# KiCad board Boom-1.kicad_pcb (continued)
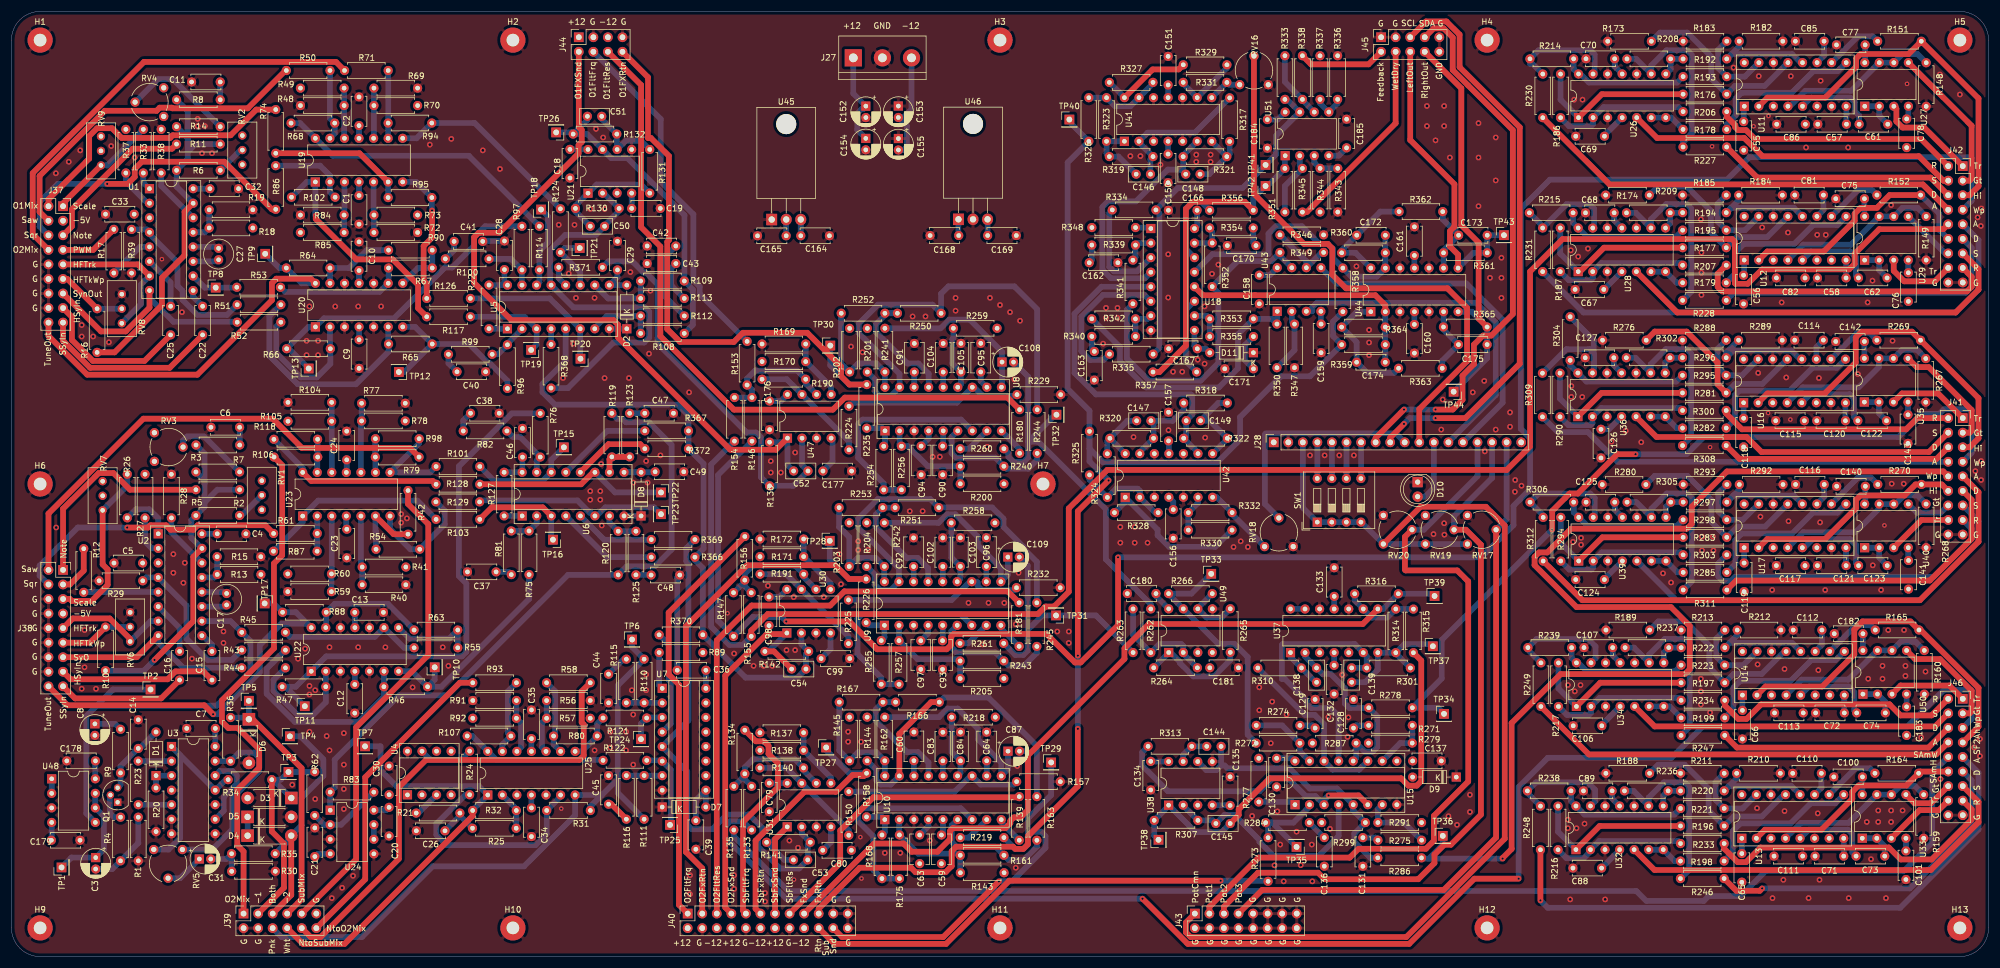
[diagram p0: board, top side]
## Placement (name value [footprint] x y rotation side) (continued)
R85  30K  [R_Axial_DIN0207_L6.3mm_D2.5mm_P7.62mm_Horizontal]  50.43 126.41 0 top
R86  30K  [R_Axial_DIN0207_L6.3mm_D2.5mm_P7.62mm_Horizontal]  46.11 130.45 90 top
R87  30K  [R_Axial_DIN0207_L6.3mm_D2.5mm_P7.62mm_Horizontal]  53.34 70.77 180 top
R88  30K  [R_Axial_DIN0207_L6.3mm_D2.5mm_P7.62mm_Horizontal]  47.31 60.1 0 top
R89  7.5K  [R_Axial_DIN0207_L6.3mm_D2.5mm_P7.62mm_Horizontal]  113.02 53.07 0 top
R90  30K  [R_Axial_DIN0207_L6.3mm_D2.5mm_P7.62mm_Horizontal]  73.42 123.33 180 top
R91  30K  [R_Axial_DIN0207_L6.3mm_D2.5mm_P7.62mm_Horizontal]  80.5 44.7 0 top
R92  30K  [R_Axial_DIN0207_L6.3mm_D2.5mm_P7.62mm_Horizontal]  80.5 41.6 0 top
R93  30K  [R_Axial_DIN0207_L6.3mm_D2.5mm_P7.62mm_Horizontal]  80.5 47.8 0 top
R94  30K  [R_Axial_DIN0207_L6.3mm_D2.5mm_P7.62mm_Horizontal]  65.73 145.52 0 top
R95  30K  [R_Axial_DIN0207_L6.3mm_D2.5mm_P7.62mm_Horizontal]  65.73 132.5 0 top
R96  30K  [R_Axial_DIN0207_L6.3mm_D2.5mm_P7.62mm_Horizontal]  86.55 106.81 270 top
R97  30K  [R_Axial_DIN0207_L6.3mm_D2.5mm_P7.62mm_Horizontal]  89.08 119.88 90 top
R98  30K  [R_Axial_DIN0207_L6.3mm_D2.5mm_P7.62mm_Horizontal]  63.52 90.41 0 top
R99  500R  [R_Axial_DIN0207_L6.3mm_D2.5mm_P7.62mm_Horizontal]  83.88 105.14 180 top
R100  500R  [R_Axial_DIN0207_L6.3mm_D2.5mm_P7.62mm_Horizontal]  83.34 121.81 180 top
R101  1K  [R_Axial_DIN0207_L6.3mm_D2.5mm_P7.62mm_Horizontal]  81.72 85.56 180 top
R102  30K  [R_Axial_DIN0207_L6.3mm_D2.5mm_P7.62mm_Horizontal]  56.48 132.57 180 top
R103  1K  [R_Axial_DIN0207_L6.3mm_D2.5mm_P7.62mm_Horizontal]  81.72 76.33 180 top
R104  30K  [R_Axial_DIN0207_L6.3mm_D2.5mm_P7.62mm_Horizontal]  48.25 96.76 0 top
R105  30K  [R_Axial_DIN0207_L6.3mm_D2.5mm_P7.62mm_Horizontal]  48.25 93.45 0 top
R106  30K  [R_Axial_DIN0207_L6.3mm_D2.5mm_P7.62mm_Horizontal]  45.82 87.2 0 top
R107  30K  [R_Axial_DIN0207_L6.3mm_D2.5mm_P7.62mm_Horizontal]  87.15 38.5 180 top
R108  30K  [R_Axial_DIN0207_L6.3mm_D2.5mm_P7.62mm_Horizontal]  109.79 108.8 0 top
R109  30K  [R_Axial_DIN0207_L6.3mm_D2.5mm_P7.62mm_Horizontal]  109.79 117.94 0 top
R110  30K  [R_Axial_DIN0207_L6.3mm_D2.5mm_P7.62mm_Horizontal]  110.4 44.3 90 top
R111  30K  [R_Axial_DIN0207_L6.3mm_D2.5mm_P7.62mm_Horizontal]  110.4 31.6 270 top
R112  500R  [R_Axial_DIN0207_L6.3mm_D2.5mm_P7.62mm_Horizontal]  109.79 111.84 0 top
R113  500R  [R_Axial_DIN0207_L6.3mm_D2.5mm_P7.62mm_Horizontal]  109.79 114.89 0 top
R114  1K  [R_Axial_DIN0207_L6.3mm_D2.5mm_P7.62mm_Horizontal]  92.12 119.88 90 top
R115  500R  [R_Axial_DIN0207_L6.3mm_D2.5mm_P7.62mm_Horizontal]  107.3 44.3 90 top
R116  500R  [R_Axial_DIN0207_L6.3mm_D2.5mm_P7.62mm_Horizontal]  107.3 31.6 270 top
R117  1K  [R_Axial_DIN0207_L6.3mm_D2.5mm_P7.62mm_Horizontal]  80.08 111.7 180 top
R118  30K  [R_Axial_DIN0207_L6.3mm_D2.5mm_P7.62mm_Horizontal]  53.42 90.31 180 top
R119  30K  [R_Axial_DIN0207_L6.3mm_D2.5mm_P7.62mm_Horizontal]  104.77 87.23 90 top
R120  30K  [R_Axial_DIN0207_L6.3mm_D2.5mm_P7.62mm_Horizontal]  105.87 74.25 270 top
R121  1K  [R_Axial_DIN0207_L6.3mm_D2.5mm_P7.62mm_Horizontal]  110.85 41.65 180 top
R122  1K  [R_Axial_DIN0207_L6.3mm_D2.5mm_P7.62mm_Horizontal]  110.85 34.25 180 top
R123  500R  [R_Axial_DIN0207_L6.3mm_D2.5mm_P7.62mm_Horizontal]  107.87 87.23 90 top
R124  1K  [R_Axial_DIN0207_L6.3mm_D2.5mm_P7.62mm_Horizontal]  95.79 130.55 270 top
R125  500R  [R_Axial_DIN0207_L6.3mm_D2.5mm_P7.62mm_Horizontal]  108.97 74.25 270 top
R126  1K  [R_Axial_DIN0207_L6.3mm_D2.5mm_P7.62mm_Horizontal]  72.46 114.9 0 top
R127  7.5K  [R_Axial_DIN0207_L6.3mm_D2.5mm_P7.62mm_Horizontal]  85.97 76.93 90 top
R128  1K  [R_Axial_DIN0207_L6.3mm_D2.5mm_P7.62mm_Horizontal]  74.09 82.45 0 top
R129  1K  [R_Axial_DIN0207_L6.3mm_D2.5mm_P7.62mm_Horizontal]  74.07 79.38 0 top
R130  30K  [R_Axial_DIN0207_L6.3mm_D2.5mm_P7.62mm_Horizontal]  98.42 130.61 0 top
R131  30K  [R_Axial_DIN0207_L6.3mm_D2.5mm_P7.62mm_Horizontal]  111.38 140.9 270 top
R132  30K  [R_Axial_DIN0207_L6.3mm_D2.5mm_P7.62mm_Horizontal]  98.01 143.59 0 top
R133  15K  [R_Axial_DIN0207_L6.3mm_D2.5mm_P7.62mm_Horizontal]  129.15 22.1 90 top
R134  15K  [R_Axial_DIN0207_L6.3mm_D2.5mm_P7.62mm_Horizontal]  127.98 31.9 90 top
R135  15K  [R_Axial_DIN0207_L6.3mm_D2.5mm_P7.62mm_Horizontal]  126.05 22.1 90 top
R136  30K  [R_Axial_DIN0207_L6.3mm_D2.5mm_P7.62mm_Horizontal]  132.29 89.8 270 top
R137  12K  [R_Axial_DIN0207_L6.3mm_D2.5mm_P7.62mm_Horizontal]  138.23 39.08 180 top
R138  30K  [R_Axial_DIN0207_L6.3mm_D2.5mm_P7.62mm_Horizontal]  138.23 36 180 top
R139  100K  [R_Axial_DIN0207_L6.3mm_D2.5mm_P7.62mm_Horizontal]  175.86 20.3 90 top
R140  30K  [R_Axial_DIN0207_L6.3mm_D2.5mm_P7.62mm_Horizontal]  130.6 32.93 0 top
R141  30K  [R_Axial_DIN0207_L6.3mm_D2.5mm_P7.62mm_Horizontal]  131.78 19.95 0 top
R142  30K  [R_Axial_DIN0207_L6.3mm_D2.5mm_P7.62mm_Horizontal]  131.48 53.27 0 top
R143  220K  [R_Axial_DIN0207_L6.3mm_D2.5mm_P7.62mm_Horizontal]  165.59 14.63 0 top
R144  220K  [R_Axial_DIN0207_L6.3mm_D2.5mm_P7.62mm_Horizontal]  149.32 41.79 270 top
R145  220K  [R_Axial_DIN0207_L6.3mm_D2.5mm_P7.62mm_Horizontal]  146.25 34.17 90 top
R146  15K  [R_Axial_DIN0207_L6.3mm_D2.5mm_P7.62mm_Horizontal]  129.22 89.98 90 top
R147  15K  [R_Axial_DIN0207_L6.3mm_D2.5mm_P7.62mm_Horizontal]  126 55.9 90 top
R148  10K  [R_Axial_DIN0207_L6.3mm_D2.5mm_P7.62mm_Horizontal]  334.12 156.05 270 top
R149  10K  [R_Axial_DIN0207_L6.3mm_D2.5mm_P7.62mm_Horizontal]  334.12 129.22 270 top
R150  100K  [R_Axial_DIN0207_L6.3mm_D2.5mm_P7.62mm_Horizontal]  146.12 28.79 270 top
R151  30K  [R_Axial_DIN0207_L6.3mm_D2.5mm_P7.62mm_Horizontal]  325.65 159.8 0 top
R152  30K  [R_Axial_DIN0207_L6.3mm_D2.5mm_P7.62mm_Horizontal]  325.53 132.95 0 top
R153  15K  [R_Axial_DIN0207_L6.3mm_D2.5mm_P7.62mm_Horizontal]  128.37 99.78 90 top
R154  15K  [R_Axial_DIN0207_L6.3mm_D2.5mm_P7.62mm_Horizontal]  126.16 89.98 90 top
R155  15K  [R_Axial_DIN0207_L6.3mm_D2.5mm_P7.62mm_Horizontal]  129.09 55.9 90 top
R156  15K  [R_Axial_DIN0207_L6.3mm_D2.5mm_P7.62mm_Horizontal]  127.97 65.71 90 top
R157  1K8  [R_Axial_DIN0207_L6.3mm_D2.5mm_P7.62mm_Horizontal]  175.41 30.53 0 top
R158  91K  [R_Axial_DIN0207_L6.3mm_D2.5mm_P7.62mm_Horizontal]  149.22 24.38 90 top
R159  10K  [R_Axial_DIN0207_L6.3mm_D2.5mm_P7.62mm_Horizontal]  333.68 28.26 270 top
R160  10K  [R_Axial_DIN0207_L6.3mm_D2.5mm_P7.62mm_Horizontal]  333.79 53.43 270 top
R161  100K  [R_Axial_DIN0207_L6.3mm_D2.5mm_P7.62mm_Horizontal]  173.19 17.68 180 top
R162  100K  [R_Axial_DIN0207_L6.3mm_D2.5mm_P7.62mm_Horizontal]  152.4 34.17 90 top
R163  91K  [R_Axial_DIN0207_L6.3mm_D2.5mm_P7.62mm_Horizontal]  178.94 20.3 90 top
R164  30K  [R_Axial_DIN0207_L6.3mm_D2.5mm_P7.62mm_Horizontal]  325.18 32 0 top
R165  30K  [R_Axial_DIN0207_L6.3mm_D2.5mm_P7.62mm_Horizontal]  325.24 57.01 0 top
R166  100K  [R_Axial_DIN0207_L6.3mm_D2.5mm_P7.62mm_Horizontal]  161.9 44.41 180 top
R167  91K  [R_Axial_DIN0207_L6.3mm_D2.5mm_P7.62mm_Horizontal]  144.45 44.41 0 top
R168  100K  [R_Axial_DIN0207_L6.3mm_D2.5mm_P7.62mm_Horizontal]  151.9 13.61 90 top
R169  12K  [R_Axial_DIN0207_L6.3mm_D2.5mm_P7.62mm_Horizontal]  138.6 106.94 180 top
R170  30K  [R_Axial_DIN0207_L6.3mm_D2.5mm_P7.62mm_Horizontal]  138.6 103.87 180 top
R171  30K  [R_Axial_DIN0207_L6.3mm_D2.5mm_P7.62mm_Horizontal]  138.24 69.82 180 top
R172  12K  [R_Axial_DIN0207_L6.3mm_D2.5mm_P7.62mm_Horizontal]  138.24 72.89 180 top
R173  470R  [R_Axial_DIN0207_L6.3mm_D2.5mm_P7.62mm_Horizontal]  286.17 159.8 180 top
R174  470R  [R_Axial_DIN0207_L6.3mm_D2.5mm_P7.62mm_Horizontal]  285.81 132.94 180 top
R175  91K  [R_Axial_DIN0207_L6.3mm_D2.5mm_P7.62mm_Horizontal]  154.95 13.61 90 top
R176  10K  [R_Axial_DIN0207_L6.3mm_D2.5mm_P7.62mm_Horizontal]  299.32 150.56 180 top
R177  10K  [R_Axial_DIN0207_L6.3mm_D2.5mm_P7.62mm_Horizontal]  299.24 123.76 180 top
R178  1.2K  [R_Axial_DIN0207_L6.3mm_D2.5mm_P7.62mm_Horizontal]  299.31 144.41 180 top
R179  1.2K  [R_Axial_DIN0207_L6.3mm_D2.5mm_P7.62mm_Horizontal]  299.24 117.64 180 top
R180  100K  [R_Axial_DIN0207_L6.3mm_D2.5mm_P7.62mm_Horizontal]  175.92 87.86 90 top
R181  100K  [R_Axial_DIN0207_L6.3mm_D2.5mm_P7.62mm_Horizontal]  175.84 54.15 90 top
R182  470R  [R_Axial_DIN0207_L6.3mm_D2.5mm_P7.62mm_Horizontal]  301.49 159.81 0 top
R183  470R  [R_Axial_DIN0207_L6.3mm_D2.5mm_P7.62mm_Horizontal]  299.33 159.81 180 top
R184  470R  [R_Axial_DIN0207_L6.3mm_D2.5mm_P7.62mm_Horizontal]  301.41 132.93 0 top
R185  470R  [R_Axial_DIN0207_L6.3mm_D2.5mm_P7.62mm_Horizontal]  299.23 132.94 180 top
R186  30K  [R_Axial_DIN0207_L6.3mm_D2.5mm_P7.62mm_Horizontal]  270.32 154.08 270 top
R187  30K  [R_Axial_DIN0207_L6.3mm_D2.5mm_P7.62mm_Horizontal]  270.27 127.2 270 top
R188  470R  [R_Axial_DIN0207_L6.3mm_D2.5mm_P7.62mm_Horizontal]  285.85 31.99 180 top
R189  470R  [R_Axial_DIN0207_L6.3mm_D2.5mm_P7.62mm_Horizontal]  285.86 57 180 top
R190  30K  [R_Axial_DIN0207_L6.3mm_D2.5mm_P7.62mm_Horizontal]  130.98 100.79 0 top
R191  30K  [R_Axial_DIN0207_L6.3mm_D2.5mm_P7.62mm_Horizontal]  130.63 66.75 0 top
R192  10K  [R_Axial_DIN0207_L6.3mm_D2.5mm_P7.62mm_Horizontal]  299.32 156.72 180 top
R193  10K  [R_Axial_DIN0207_L6.3mm_D2.5mm_P7.62mm_Horizontal]  299.32 153.63 180 top
R194  10K  [R_Axial_DIN0207_L6.3mm_D2.5mm_P7.62mm_Horizontal]  299.24 129.88 180 top
R195  10K  [R_Axial_DIN0207_L6.3mm_D2.5mm_P7.62mm_Horizontal]  299.24 126.82 180 top
R196  10K  [R_Axial_DIN0207_L6.3mm_D2.5mm_P7.62mm_Horizontal]  298.87 22.79 180 top
R197  10K  [R_Axial_DIN0207_L6.3mm_D2.5mm_P7.62mm_Horizontal]  298.97 47.8 180 top
R198  1.2K  [R_Axial_DIN0207_L6.3mm_D2.5mm_P7.62mm_Horizontal]  298.86 16.67 180 top
R199  1.2K  [R_Axial_DIN0207_L6.3mm_D2.5mm_P7.62mm_Horizontal]  298.97 41.67 180 top
R200  220K  [R_Axial_DIN0207_L6.3mm_D2.5mm_P7.62mm_Horizontal]  165.57 82.53 0 top
R201  220K  [R_Axial_DIN0207_L6.3mm_D2.5mm_P7.62mm_Horizontal]  149.35 109.67 270 top
R202  220K  [R_Axial_DIN0207_L6.3mm_D2.5mm_P7.62mm_Horizontal]  146.26 102.05 90 top
R203  220K  [R_Axial_DIN0207_L6.3mm_D2.5mm_P7.62mm_Horizontal]  146.19 68.1 90 top
R204  220K  [R_Axial_DIN0207_L6.3mm_D2.5mm_P7.62mm_Horizontal]  149.25 75.72 270 top
R205  220K  [R_Axial_DIN0207_L6.3mm_D2.5mm_P7.62mm_Horizontal]  165.55 48.53 0 top
R206  30K  [R_Axial_DIN0207_L6.3mm_D2.5mm_P7.62mm_Horizontal]  299.32 147.51 180 top
R207  30K  [R_Axial_DIN0207_L6.3mm_D2.5mm_P7.62mm_Horizontal]  299.24 120.7 180 top
R208  30K  [R_Axial_DIN0207_L6.3mm_D2.5mm_P7.62mm_Horizontal]  289.53 156.72 180 top
R209  30K  [R_Axial_DIN0207_L6.3mm_D2.5mm_P7.62mm_Horizontal]  289.45 129.85 180 top
R210  470R  [R_Axial_DIN0207_L6.3mm_D2.5mm_P7.62mm_Horizontal]  301.05 31.99 0 top
R211  470R  [R_Axial_DIN0207_L6.3mm_D2.5mm_P7.62mm_Horizontal]  298.87 31.99 180 top
R212  470R  [R_Axial_DIN0207_L6.3mm_D2.5mm_P7.62mm_Horizontal]  301.14 57 0 top
R213  470R  [R_Axial_DIN0207_L6.3mm_D2.5mm_P7.62mm_Horizontal]  298.98 57 180 top
R214  30K  [R_Axial_DIN0207_L6.3mm_D2.5mm_P7.62mm_Horizontal]  272.6 156.73 180 top
R215  30K  [R_Axial_DIN0207_L6.3mm_D2.5mm_P7.62mm_Horizontal]  272.5 129.85 180 top
R216  30K  [R_Axial_DIN0207_L6.3mm_D2.5mm_P7.62mm_Horizontal]  269.88 26.26 270 top
R217  30K  [R_Axial_DIN0207_L6.3mm_D2.5mm_P7.62mm_Horizontal]  269.95 51.27 270 top
R218  270R  [R_Axial_DIN0207_L6.3mm_D2.5mm_P7.62mm_Horizontal]  164.07 41.79 0 top
R219  51K  [R_Axial_DIN0207_L6.3mm_D2.5mm_P7.62mm_Horizontal]  173.19 20.76 180 top
R220  10K  [R_Axial_DIN0207_L6.3mm_D2.5mm_P7.62mm_Horizontal]  298.87 28.92 180 top
R221  10K  [R_Axial_DIN0207_L6.3mm_D2.5mm_P7.62mm_Horizontal]  298.87 25.85 180 top
R222  10K  [R_Axial_DIN0207_L6.3mm_D2.5mm_P7.62mm_Horizontal]  298.98 53.93 180 top
R223  10K  [R_Axial_DIN0207_L6.3mm_D2.5mm_P7.62mm_Horizontal]  298.97 50.87 180 top
R224  100K  [R_Axial_DIN0207_L6.3mm_D2.5mm_P7.62mm_Horizontal]  146.15 96.08 270 top
R225  100K  [R_Axial_DIN0207_L6.3mm_D2.5mm_P7.62mm_Horizontal]  146.06 62.25 270 top
R226  91K  [R_Axial_DIN0207_L6.3mm_D2.5mm_P7.62mm_Horizontal]  149.14 58.29 90 top
R227  30K  [R_Axial_DIN0207_L6.3mm_D2.5mm_P7.62mm_Horizontal]  299.31 141.34 180 top
R228  30K  [R_Axial_DIN0207_L6.3mm_D2.5mm_P7.62mm_Horizontal]  299.24 114.57 180 top
R229  1K8  [R_Axial_DIN0207_L6.3mm_D2.5mm_P7.62mm_Horizontal]  175.47 98.1 0 top
R230  30K  [R_Axial_DIN0207_L6.3mm_D2.5mm_P7.62mm_Horizontal]  267.22 146.46 90 top
R231  30K  [R_Axial_DIN0207_L6.3mm_D2.5mm_P7.62mm_Horizontal]  267.2 119.58 90 top
R232  1K8  [R_Axial_DIN0207_L6.3mm_D2.5mm_P7.62mm_Horizontal]  175.38 64.39 0 top
R233  30K  [R_Axial_DIN0207_L6.3mm_D2.5mm_P7.62mm_Horizontal]  298.87 19.73 180 top
R234  30K  [R_Axial_DIN0207_L6.3mm_D2.5mm_P7.62mm_Horizontal]  298.97 44.73 180 top
R235  91K  [R_Axial_DIN0207_L6.3mm_D2.5mm_P7.62mm_Horizontal]  149.25 92.24 90 top
R236  30K  [R_Axial_DIN0207_L6.3mm_D2.5mm_P7.62mm_Horizontal]  289.09 28.92 180 top
R237  30K  [R_Axial_DIN0207_L6.3mm_D2.5mm_P7.62mm_Horizontal]  289.2 53.93 180 top
R238  30K  [R_Axial_DIN0207_L6.3mm_D2.5mm_P7.62mm_Horizontal]  272.15 28.92 180 top
R239  30K  [R_Axial_DIN0207_L6.3mm_D2.5mm_P7.62mm_Horizontal]  272.24 53.93 180 top
R240  100K  [R_Axial_DIN0207_L6.3mm_D2.5mm_P7.62mm_Horizontal]  173.18 85.6 180 top
R241  100K  [R_Axial_DIN0207_L6.3mm_D2.5mm_P7.62mm_Horizontal]  152.42 102.06 90 top
R242  100K  [R_Axial_DIN0207_L6.3mm_D2.5mm_P7.62mm_Horizontal]  152.32 68.1 90 top
R243  100K  [R_Axial_DIN0207_L6.3mm_D2.5mm_P7.62mm_Horizontal]  173.16 51.61 180 top
R244  91K  [R_Axial_DIN0207_L6.3mm_D2.5mm_P7.62mm_Horizontal]  178.99 87.85 90 top
R245  91K  [R_Axial_DIN0207_L6.3mm_D2.5mm_P7.62mm_Horizontal]  178.93 54.14 90 top
R246  30K  [R_Axial_DIN0207_L6.3mm_D2.5mm_P7.62mm_Horizontal]  298.86 13.61 180 top
R247  30K  [R_Axial_DIN0207_L6.3mm_D2.5mm_P7.62mm_Horizontal]  298.97 38.61 180 top
R248  30K  [R_Axial_DIN0207_L6.3mm_D2.5mm_P7.62mm_Horizontal]  266.81 18.64 90 top
R249  30K  [R_Axial_DIN0207_L6.3mm_D2.5mm_P7.62mm_Horizontal]  266.89 43.65 90 top
R250  100K  [R_Axial_DIN0207_L6.3mm_D2.5mm_P7.62mm_Horizontal]  162.22 112.31 180 top
R251  100K  [R_Axial_DIN0207_L6.3mm_D2.5mm_P7.62mm_Horizontal]  161.82 78.37 180 top
R252  91K  [R_Axial_DIN0207_L6.3mm_D2.5mm_P7.62mm_Horizontal]  144.8 112.31 0 top
R253  91K  [R_Axial_DIN0207_L6.3mm_D2.5mm_P7.62mm_Horizontal]  144.42 78.37 0 top
R254  100K  [R_Axial_DIN0207_L6.3mm_D2.5mm_P7.62mm_Horizontal]  152.21 81.47 90 top
R255  100K  [R_Axial_DIN0207_L6.3mm_D2.5mm_P7.62mm_Horizontal]  151.78 47.54 90 top
R256  91K  [R_Axial_DIN0207_L6.3mm_D2.5mm_P7.62mm_Horizontal]  155.3 81.48 90 top
R257  91K  [R_Axial_DIN0207_L6.3mm_D2.5mm_P7.62mm_Horizontal]  154.88 47.53 90 top
R258  270R  [R_Axial_DIN0207_L6.3mm_D2.5mm_P7.62mm_Horizontal]  163.99 75.71 0 top
R259  270R  [R_Axial_DIN0207_L6.3mm_D2.5mm_P7.62mm_Horizontal]  164.37 109.69 0 top
R260  51K  [R_Axial_DIN0207_L6.3mm_D2.5mm_P7.62mm_Horizontal]  173.18 88.66 180 top
R261  51K  [R_Axial_DIN0207_L6.3mm_D2.5mm_P7.62mm_Horizontal]  173.14 54.68 180 top
R262  30K  [R_Axial_DIN0207_L6.3mm_D2.5mm_P7.62mm_Horizontal]  198.81 53.06 90 top
R263  30K  [R_Axial_DIN0207_L6.3mm_D2.5mm_P7.62mm_Horizontal]  195.72 53.07 90 top
R264  30K  [R_Axial_DIN0207_L6.3mm_D2.5mm_P7.62mm_Horizontal]  199.32 50.41 0 top
R265  30K  [R_Axial_DIN0207_L6.3mm_D2.5mm_P7.62mm_Horizontal]  212.68 60.72 270 top
R266  30K  [R_Axial_DIN0207_L6.3mm_D2.5mm_P7.62mm_Horizontal]  201.92 63.36 0 top
R267  10K  [R_Axial_DIN0207_L6.3mm_D2.5mm_P7.62mm_Horizontal]  334.05 104.4 270 top
R268  10K  [R_Axial_DIN0207_L6.3mm_D2.5mm_P7.62mm_Horizontal]  334.11 79 270 top
R269  30K  [R_Axial_DIN0207_L6.3mm_D2.5mm_P7.62mm_Horizontal]  325.52 107.6 0 top
R270  30K  [R_Axial_DIN0207_L6.3mm_D2.5mm_P7.62mm_Horizontal]  325.68 82.42 0 top
R271  510R  [R_Axial_DIN0207_L6.3mm_D2.5mm_P7.62mm_Horizontal]  244.45 40.35 180 top
R272  30K  [R_Axial_DIN0207_L6.3mm_D2.5mm_P7.62mm_Horizontal]  217.21 37.25 0 top
R273  30K  [R_Axial_DIN0207_L6.3mm_D2.5mm_P7.62mm_Horizontal]  219.28 20.75 270 top
R274  510R  [R_Axial_DIN0207_L6.3mm_D2.5mm_P7.62mm_Horizontal]  217.22 40.35 0 top
R275  510R  [R_Axial_DIN0207_L6.3mm_D2.5mm_P7.62mm_Horizontal]  246.07 20.31 180 top
R276  470R  [R_Axial_DIN0207_L6.3mm_D2.5mm_P7.62mm_Horizontal]  285.27 107.61 180 top
R277  390K  [R_Axial_DIN0207_L6.3mm_D2.5mm_P7.62mm_Horizontal]  217.66 26.99 90 top
R278  30K  [R_Axial_DIN0207_L6.3mm_D2.5mm_P7.62mm_Horizontal]  244.46 43.43 180 top
R279  30K  [R_Axial_DIN0207_L6.3mm_D2.5mm_P7.62mm_Horizontal]  236.81 37.27 0 top
R280  470R  [R_Axial_DIN0207_L6.3mm_D2.5mm_P7.62mm_Horizontal]  285.22 82.4 180 top
R281  10K  [R_Axial_DIN0207_L6.3mm_D2.5mm_P7.62mm_Horizontal]  299.22 98.41 180 top
R282  1.2K  [R_Axial_DIN0207_L6.3mm_D2.5mm_P7.62mm_Horizontal]  299.23 92.27 180 top
R283  10K  [R_Axial_DIN0207_L6.3mm_D2.5mm_P7.62mm_Horizontal]  299.33 73.19 180 top
R284  510R  [R_Axial_DIN0207_L6.3mm_D2.5mm_P7.62mm_Horizontal]  218.86 23.38 0 top
R285  1.2K  [R_Axial_DIN0207_L6.3mm_D2.5mm_P7.62mm_Horizontal]  299.34 67.07 180 top
R286  30K  [R_Axial_DIN0207_L6.3mm_D2.5mm_P7.62mm_Horizontal]  246.05 17.23 180 top
R287  10M  [R_Axial_DIN0207_L6.3mm_D2.5mm_P7.62mm_Horizontal]  234.64 37.26 180 top
R288  470R  [R_Axial_DIN0207_L6.3mm_D2.5mm_P7.62mm_Horizontal]  299.22 107.61 180 top
R289  470R  [R_Axial_DIN0207_L6.3mm_D2.5mm_P7.62mm_Horizontal]  301.38 107.61 0 top
R290  30K  [R_Axial_DIN0207_L6.3mm_D2.5mm_P7.62mm_Horizontal]  270.22 101.86 270 top
R291  30K  [R_Axial_DIN0207_L6.3mm_D2.5mm_P7.62mm_Horizontal]  246.06 23.39 180 top
R292  470R  [R_Axial_DIN0207_L6.3mm_D2.5mm_P7.62mm_Horizontal]  301.52 82.41 0 top
R293  470R  [R_Axial_DIN0207_L6.3mm_D2.5mm_P7.62mm_Horizontal]  299.35 82.41 180 top
R294  30K  [R_Axial_DIN0207_L6.3mm_D2.5mm_P7.62mm_Horizontal]  270.36 76.67 270 top
R295  10K  [R_Axial_DIN0207_L6.3mm_D2.5mm_P7.62mm_Horizontal]  299.22 101.47 180 top
R296  10K  [R_Axial_DIN0207_L6.3mm_D2.5mm_P7.62mm_Horizontal]  299.22 104.55 180 top
R297  10K  [R_Axial_DIN0207_L6.3mm_D2.5mm_P7.62mm_Horizontal]  299.34 79.34 180 top
R298  10K  [R_Axial_DIN0207_L6.3mm_D2.5mm_P7.62mm_Horizontal]  299.33 76.26 180 top
R299  10M  [R_Axial_DIN0207_L6.3mm_D2.5mm_P7.62mm_Horizontal]  236.26 23.39 180 top
R300  30K  [R_Axial_DIN0207_L6.3mm_D2.5mm_P7.62mm_Horizontal]  299.23 95.34 180 top
R301  30K  [R_Axial_DIN0207_L6.3mm_D2.5mm_P7.62mm_Horizontal]  236.49 50.38 0 top
R302  30K  [R_Axial_DIN0207_L6.3mm_D2.5mm_P7.62mm_Horizontal]  289.42 104.54 180 top
R303  30K  [R_Axial_DIN0207_L6.3mm_D2.5mm_P7.62mm_Horizontal]  299.33 70.13 180 top
R304  30K  [R_Axial_DIN0207_L6.3mm_D2.5mm_P7.62mm_Horizontal]  271.99 104.08 90 top
R305  30K  [R_Axial_DIN0207_L6.3mm_D2.5mm_P7.62mm_Horizontal]  289.55 79.33 180 top
R306  30K  [R_Axial_DIN0207_L6.3mm_D2.5mm_P7.62mm_Horizontal]  272.61 79.33 180 top
R307  30K  [R_Axial_DIN0207_L6.3mm_D2.5mm_P7.62mm_Horizontal]  207.03 23.77 180 top
R308  30K  [R_Axial_DIN0207_L6.3mm_D2.5mm_P7.62mm_Horizontal]  299.23 89.21 180 top
R309  30K  [R_Axial_DIN0207_L6.3mm_D2.5mm_P7.62mm_Horizontal]  267.16 94.23 90 top
R310  4K7  [R_Axial_DIN0207_L6.3mm_D2.5mm_P7.62mm_Horizontal]  225.11 50.38 180 top
R311  30K  [R_Axial_DIN0207_L6.3mm_D2.5mm_P7.62mm_Horizontal]  299.34 64 180 top
R312  30K  [R_Axial_DIN0207_L6.3mm_D2.5mm_P7.62mm_Horizontal]  267.29 69.05 90 top
R313  4K7  [R_Axial_DIN0207_L6.3mm_D2.5mm_P7.62mm_Horizontal]  205.96 36.7 180 top
R314  30K  [R_Axial_DIN0207_L6.3mm_D2.5mm_P7.62mm_Horizontal]  241.57 53.05 90 top
R315  30K  [R_Axial_DIN0207_L6.3mm_D2.5mm_P7.62mm_Horizontal]  244.64 60.66 270 top
R316  30K  [R_Axial_DIN0207_L6.3mm_D2.5mm_P7.62mm_Horizontal]  242.01 63.33 180 top
R317  30K  [R_Axial_DIN0207_L6.3mm_D2.5mm_P7.62mm_Horizontal]  212.57 149.91 270 top
R318  30K  [R_Axial_DIN0207_L6.3mm_D2.5mm_P7.62mm_Horizontal]  212.17 96.64 180 top
R319  30K  [R_Axial_DIN0207_L6.3mm_D2.5mm_P7.62mm_Horizontal]  199.2 139.66 180 top
R320  30K  [R_Axial_DIN0207_L6.3mm_D2.5mm_P7.62mm_Horizontal]  191.67 90.48 0 top
R321  30K  [R_Axial_DIN0207_L6.3mm_D2.5mm_P7.62mm_Horizontal]  204.46 139.65 0 top
R322  30K  [R_Axial_DIN0207_L6.3mm_D2.5mm_P7.62mm_Horizontal]  204.55 90.48 0 top
R323  100K  [R_Axial_DIN0207_L6.3mm_D2.5mm_P7.62mm_Horizontal]  191.09 149.94 270 top
R324  100K  [R_Axial_DIN0207_L6.3mm_D2.5mm_P7.62mm_Horizontal]  191.23 80.16 90 top
R325  100K  [R_Axial_DIN0207_L6.3mm_D2.5mm_P7.62mm_Horizontal]  188.12 84.08 90 top
R326  100K  [R_Axial_DIN0207_L6.3mm_D2.5mm_P7.62mm_Horizontal]  188 149.94 270 top
R327  68K  [R_Axial_DIN0207_L6.3mm_D2.5mm_P7.62mm_Horizontal]  191.58 152.61 0 top
R328  68K  [R_Axial_DIN0207_L6.3mm_D2.5mm_P7.62mm_Horizontal]  192.47 77.5 0 top
R329  30K  [R_Axial_DIN0207_L6.3mm_D2.5mm_P7.62mm_Horizontal]  212.1 155.68 180 top
R330  30K  [R_Axial_DIN0207_L6.3mm_D2.5mm_P7.62mm_Horizontal]  205.36 74.45 0 top
R331  30K  [R_Axial_DIN0207_L6.3mm_D2.5mm_P7.62mm_Horizontal]  212.09 152.61 180 top
R332  30K  [R_Axial_DIN0207_L6.3mm_D2.5mm_P7.62mm_Horizontal]  212.99 77.51 180 top
R333  30K  [R_Axial_DIN0207_L6.3mm_D2.5mm_P7.62mm_Horizontal]  222.22 157.27 270 top
R334  1K  [R_Axial_DIN0207_L6.3mm_D2.5mm_P7.62mm_Horizontal]  199.71 130.35 180 top
R335  1K  [R_Axial_DIN0207_L6.3mm_D2.5mm_P7.62mm_Horizontal]  191.6 105.17 0 top
R336  30K  [R_Axial_DIN0207_L6.3mm_D2.5mm_P7.62mm_Horizontal]  231.41 157.27 270 top
R337  30K  [R_Axial_DIN0207_L6.3mm_D2.5mm_P7.62mm_Horizontal]  228.34 157.27 270 top
R338  30K  [R_Axial_DIN0207_L6.3mm_D2.5mm_P7.62mm_Horizontal]  225.28 157.27 270 top
R339  500R  [R_Axial_DIN0207_L6.3mm_D2.5mm_P7.62mm_Horizontal]  196.14 124.21 180 top
R340  500R  [R_Axial_DIN0207_L6.3mm_D2.5mm_P7.62mm_Horizontal]  196.14 108.26 180 top
R341  30K  [R_Axial_DIN0207_L6.3mm_D2.5mm_P7.62mm_Horizontal]  195.69 121.58 270 top
R342  30K  [R_Axial_DIN0207_L6.3mm_D2.5mm_P7.62mm_Horizontal]  196.14 111.33 180 top
R343  30K  [R_Axial_DIN0207_L6.3mm_D2.5mm_P7.62mm_Horizontal]  231.44 129.99 90 top
R344  30K  [R_Axial_DIN0207_L6.3mm_D2.5mm_P7.62mm_Horizontal]  228.35 129.99 90 top
R345  30K  [R_Axial_DIN0207_L6.3mm_D2.5mm_P7.62mm_Horizontal]  225.27 129.98 90 top
R346  30K  [R_Axial_DIN0207_L6.3mm_D2.5mm_P7.62mm_Horizontal]  228.97 125.99 180 top
R347  30K  [R_Axial_DIN0207_L6.3mm_D2.5mm_P7.62mm_Horizontal]  223.89 102.8 90 top
R348  7.5K  [R_Axial_DIN0207_L6.3mm_D2.5mm_P7.62mm_Horizontal]  196.15 127.27 180 top
R349  10K  [R_Axial_DIN0207_L6.3mm_D2.5mm_P7.62mm_Horizontal]  228.97 122.92 180 top
R350  10K  [R_Axial_DIN0207_L6.3mm_D2.5mm_P7.62mm_Horizontal]  220.83 102.8 90 top
R351  30K  [R_Axial_DIN0207_L6.3mm_D2.5mm_P7.62mm_Horizontal]  222.21 129.98 90 top
R352  30K  [R_Axial_DIN0207_L6.3mm_D2.5mm_P7.62mm_Horizontal]  209.53 124.58 270 top
R353  30K  [R_Axial_DIN0207_L6.3mm_D2.5mm_P7.62mm_Horizontal]  209.1 111.33 0 top
R354  500R  [R_Axial_DIN0207_L6.3mm_D2.5mm_P7.62mm_Horizontal]  209.08 127.2 0 top
R355  500R  [R_Axial_DIN0207_L6.3mm_D2.5mm_P7.62mm_Horizontal]  209.1 108.24 0 top
R356  1K  [R_Axial_DIN0207_L6.3mm_D2.5mm_P7.62mm_Horizontal]  216.7 130.28 180 top
R357  1K  [R_Axial_DIN0207_L6.3mm_D2.5mm_P7.62mm_Horizontal]  206.82 102.05 180 top
R358  30K  [R_Axial_DIN0207_L6.3mm_D2.5mm_P7.62mm_Horizontal]  232.33 120.2 270 top
R359  30K  [R_Axial_DIN0207_L6.3mm_D2.5mm_P7.62mm_Horizontal]  232.12 106.82 0 top
R360  30K  [R_Axial_DIN0207_L6.3mm_D2.5mm_P7.62mm_Horizontal]  232.12 122.86 0 top
R361  30K  [R_Axial_DIN0207_L6.3mm_D2.5mm_P7.62mm_Horizontal]  257.52 122.86 180 top
R362  30K  [R_Axial_DIN0207_L6.3mm_D2.5mm_P7.62mm_Horizontal]  249.76 130.05 180 top
R363  30K  [R_Axial_DIN0207_L6.3mm_D2.5mm_P7.62mm_Horizontal]  249.67 102.7 180 top
R364  30K  [R_Axial_DIN0207_L6.3mm_D2.5mm_P7.62mm_Horizontal]  232.11 109.9 0 top
R365  30K  [R_Axial_DIN0207_L6.3mm_D2.5mm_P7.62mm_Horizontal]  257.5 109.91 180 top
R366  0R  [R_Axial_DIN0207_L6.3mm_D2.5mm_P7.62mm_Horizontal]  111.65 69.73 0 top
R367  0R  [R_Axial_DIN0207_L6.3mm_D2.5mm_P7.62mm_Horizontal]  118.15 91.78 180 top
R368  0R  [R_Axial_DIN0207_L6.3mm_D2.5mm_P7.62mm_Horizontal]  94.16 106.87 270 top
R369  0R  [R_Axial_DIN0207_L6.3mm_D2.5mm_P7.62mm_Horizontal]  119.27 72.81 180 top
R370  0R  [R_Axial_DIN0207_L6.3mm_D2.5mm_P7.62mm_Horizontal]  113.02 56.17 0 top
R371  0R  [R_Axial_DIN0207_L6.3mm_D2.5mm_P7.62mm_Horizontal]  103.12 120.33 180 top
R372  0R  [R_Axial_DIN0207_L6.3mm_D2.5mm_P7.62mm_Horizontal]  118.15 88.66 180 top
RV1  100K  [Potentiometer_Bourns_3296W_Vertical]  43.69 78 270 top
RV2  100K  [Potentiometer_Bourns_3296W_Vertical]  40.29 138.26 270 top
RV3  100K  [Potentiometer_Piher_PT-6-V_Vertical]  24.94 86.45 0 top
RV4  100K  [Potentiometer_Piher_PT-6-V_Vertical]  26.57 151.67 180 top
RV5  100K Lin  [Potentiometer_Piher_PT-6-V_Vertical]  24.83 18.68 270 top
RV6  10K  [Potentiometer_Bourns_3296W_Vertical]  20.71 55 270 top
RV7  10K  [Potentiometer_Bourns_3296W_Vertical]  15.91 77.91 270 top
RV8  10K  [Potentiometer_Bourns_3296W_Vertical]  19.26 110.56 270 top
RV9  10K  [Potentiometer_Bourns_3296W_Vertical]  15.62 138.12 270 top
RV16  100K  [Potentiometer_Piher_PT-6-V_Vertical]  219.32 152.21 90 top
RV17  50K  [Potentiometer_Piher_PT-6-V_Vertical]  254.07 72.01 0 top
RV18  100K  [Potentiometer_Piher_PT-6-V_Vertical]  223.67 71.57 90 top
RV19  50K  [Potentiometer_Piher_PT-6-V_Vertical]  246.73 72.01 0 top
RV20  50K  [Potentiometer_Piher_PT-6-V_Vertical]  239.39 72.02 0 top
SW1  SW_DIP_x04  [SW_DIP_SPSTx04_Slide_9.78x12.34mm_W7.62mm_P2.54mm]  227.86 75.84 90 top
TP1  SubOscWaveIn  [PinHeader_1x01_P2.54mm_Vertical]  8.74 15.56 90 top
TP2  Osc1Tri  [PinHeader_1x01_P2.54mm_Vertical]  24.27 46.62 0 top
TP3  Sub1Oct  [PinHeader_1x01_P2.54mm_Vertical]  48.34 32.22 0 top
TP4  SubBothOct  [PinHeader_1x01_P2.54mm_Vertical]  48.58 38.45 0 top
TP5  Sub2Oct  [PinHeader_1x01_P2.54mm_Vertical]  41.42 44.65 0 top
TP6  PinkNoise  [PinHeader_1x01_P2.54mm_Vertical]  108.3 55.35 0 top
TP7  WhiteNoise  [PinHeader_1x01_P2.54mm_Vertical]  61.7 36.7 0 top
TP8  Osc1Tri  [PinHeader_1x01_P2.54mm_Vertical]  35.64 116.79 0 top
TP9  Osc1Tuning  [PinHeader_1x01_P2.54mm_Vertical]  44.28 122.69 90 top
TP10  Osc1Squ  [PinHeader_1x01_P2.54mm_Vertical]  73.85 50.5 90 top
TP11  Osc1Saw  [PinHeader_1x01_P2.54mm_Vertical]  51.19 43.71 0 top
TP12  Osc1Squ  [PinHeader_1x01_P2.54mm_Vertical]  67.6 102.05 180 top
TP13  Osc1Saw  [PinHeader_1x01_P2.54mm_Vertical]  51.87 102.66 90 top
TP15  Osc1SawMixCV  [PinHeader_1x01_P2.54mm_Vertical]  96.39 88.91 0 top
TP16  Osc1SqMixCV  [PinHeader_1x01_P2.54mm_Vertical]  94.5 72.78 180 top
TP17  Osc2Tuning  [PinHeader_1x01_P2.54mm_Vertical]  44.18 61.65 270 top
TP18  Osc1SawMixCV  [PinHeader_1x01_P2.54mm_Vertical]  92.41 130.42 90 top
TP19  Osc1SqMixCV  [PinHeader_1x01_P2.54mm_Vertical]  90.67 105.9 180 top
TP20  Osc1ToOsc2PreFiltMixCV  [PinHeader_1x01_P2.54mm_Vertical]  99.29 104.38 180 top
TP21  Osc1ToOsc1FiltMixCV  [PinHeader_1x01_P2.54mm_Vertical]  99.16 123.7 90 top
TP22  SubToOsc2PreFiltMixCV  [PinHeader_1x01_P2.54mm_Vertical]  113.34 81.03 270 top
TP23  SubToSubOscFiltMixCV  [PinHeader_1x01_P2.54mm_Vertical]  113.34 77.23 270 top
TP24  NoiseToOsc2PreFiltMixCV  [PinHeader_1x01_P2.54mm_Vertical]  109.85 37.95 0 top
TP25  NoiseToSubOscFiltMixCV  [PinHeader_1x01_P2.54mm_Vertical]  114.92 22.98 180 top
TP26  Osc1WaveMix  [PinHeader_1x01_P2.54mm_Vertical]  95.05 143.89 180 top
TP27  PreFilter1  [PinHeader_1x01_P2.54mm_Vertical]  142.17 36.5 0 top
TP28  PreFilter1  [PinHeader_1x01_P2.54mm_Vertical]  142.79 72.58 0 top
TP29  PostFilter1  [PinHeader_1x01_P2.54mm_Vertical]  181.43 33.89 0 top
TP30  PreFilter1  [PinHeader_1x01_P2.54mm_Vertical]  142.89 106.66 0 top
TP31  PostFilter1  [PinHeader_1x01_P2.54mm_Vertical]  182.28 59.55 180 top
TP32  PostFilter1  [PinHeader_1x01_P2.54mm_Vertical]  182.35 94.6 90 top
TP33  PreVCA1  [PinHeader_1x01_P2.54mm_Vertical]  209.36 66.82 0 top
TP34  Amp1CV  [PinHeader_1x01_P2.54mm_Vertical]  249.98 42.37 0 top
TP35  PreVCA2  [PinHeader_1x01_P2.54mm_Vertical]  224.25 19.14 180 top
TP36  Amp2CV  [PinHeader_1x01_P2.54mm_Vertical]  249.76 21.07 0 top
TP37  PostVCA1  [PinHeader_1x01_P2.54mm_Vertical]  248.03 54.17 0 top
TP38  PostVCA2  [PinHeader_1x01_P2.54mm_Vertical]  200.16 20.38 90 top
TP39  PreEffects  [PinHeader_1x01_P2.54mm_Vertical]  248.34 62.95 0 top
TP40  PreReverb  [PinHeader_1x01_P2.54mm_Vertical]  184.61 146.13 0 top
TP41  FeedbackCV  [PinHeader_1x01_P2.54mm_Vertical]  218.84 138.21 90 top
TP42  WetDryCV  [PinHeader_1x01_P2.54mm_Vertical]  218.84 134.53 90 top
TP43  PostReverbLeft  [PinHeader_1x01_P2.54mm_Vertical]  260.44 125.94 0 top
TP44  PostReverbRight  [PinHeader_1x01_P2.54mm_Vertical]  251.66 98.61 180 top
U1  CEM3340  [DIP-16_W7.62mm_Socket]  24.08 134.06 0 top
U2  CEM3340  [DIP-16_W7.62mm_Socket]  25.61 73.8 0 top
U3  4013  [DIP-14_W7.62mm]  27.93 36.67 0 top
U4  NOISE  [DIP-8_W7.62mm_Socket]  69.1 28.23 90 top
